# KiCad board travis_erg2024-new4.kicad_pcb (continued)
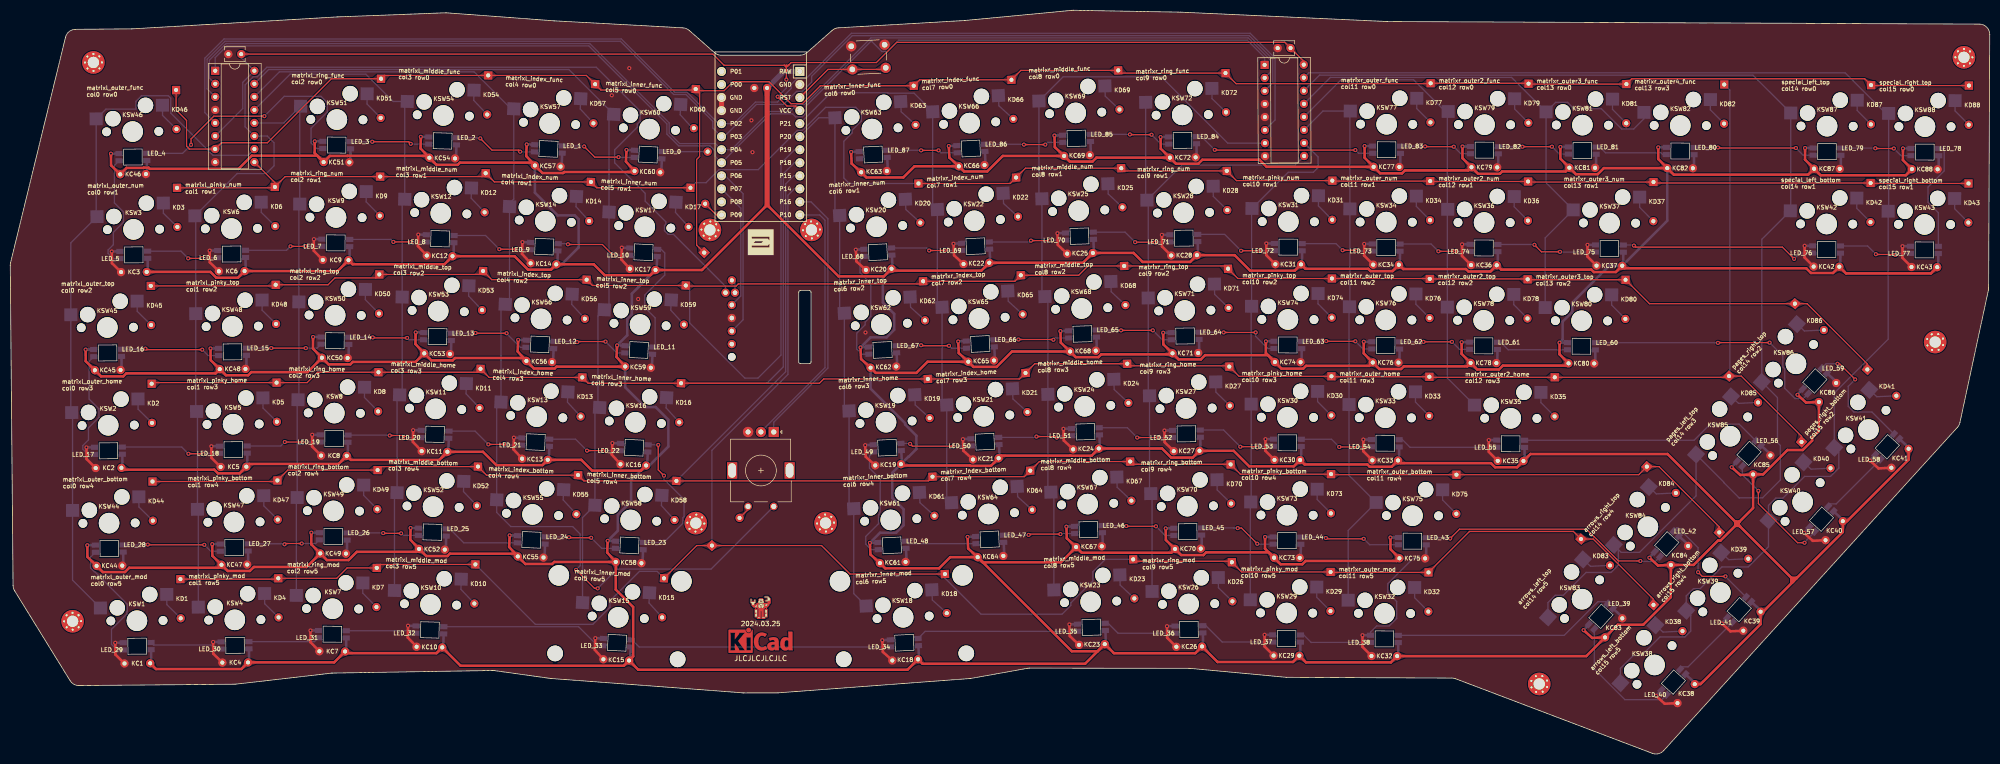
[diagram p0: board, top side]
## Placement (name value [footprint] x y rotation side) (continued)
KSW13  Kailh MX Switch Sockets  [MX]  102.47 65.63 357.5 top
KSW14  Kailh MX Switch Sockets  [MX]  104.14 103.69 357.5 top
KSW15  Kailh MX Switch Sockets  [MX]  118.33 26.56 357.2 top
KSW16  Kailh MX Switch Sockets  [MX]  121.66 64.54 357.2 top
KSW17  Kailh MX Switch Sockets  [MX]  123.49 102.6 357.2 top
KSW18  Kailh MX Switch Sockets  [MX]  173.78 26.57 2.8 top
KSW19  Kailh MX Switch Sockets  [MX]  170.45 64.55 2.8 top
KSW20  Kailh MX Switch Sockets  [MX]  168.62 102.61 2.8 top
KSW21  Kailh MX Switch Sockets  [MX]  189.47 65.71 2.8 top
KSW22  Kailh MX Switch Sockets  [MX]  187.64 103.77 2.8 top
KSW23  Kailh MX Switch Sockets  [MX]  210.28 29.57 1.8 top
KSW24  Kailh MX Switch Sockets  [MX]  209.11 67.65 1.8 top
KSW25  Kailh MX Switch Sockets  [MX]  207.95 105.73 1.8 top
KSW26  Kailh MX Switch Sockets  [MX]  229.35 29.15 0.8 top
KSW27  Kailh MX Switch Sockets  [MX]  228.85 67.25 0.8 top
KSW28  Kailh MX Switch Sockets  [MX]  228.35 105.35 0.8 top
KSW29  Kailh MX Switch Sockets  [MX]  248.42 27.4 359.8 top
KSW30  Kailh MX Switch Sockets  [MX]  248.59 65.5 359.8 top
KSW31  Kailh MX Switch Sockets  [MX]  248.76 103.6 359.8 top
KSW32  Kailh MX Switch Sockets  [MX]  267.47 27.32 359.8 top
KSW33  Kailh MX Switch Sockets  [MX]  267.64 65.42 359.8 top
KSW34  Kailh MX Switch Sockets  [MX]  267.81 103.52 359.8 top
KSW35  Kailh MX Switch Sockets  [MX]  292.05 65.31 359.8 top
KSW36  Kailh MX Switch Sockets  [MX]  286.86 103.44 359.8 top
KSW37  Kailh MX Switch Sockets  [MX]  311.27 103.33 359.8 top
KSW38  Kailh MX Switch Sockets  [MX]  320.03 17.28 47.8 top
KSW39  Kailh MX Switch Sockets  [MX]  332.84 31.39 47.8 top
KSW40  Kailh MX Switch Sockets  [MX]  348.85 49.01 47.8 top
KSW41  Kailh MX Switch Sockets  [MX]  361.66 63.11 47.8 top
KSW42  Kailh MX Switch Sockets  [MX]  353.53 103.14 359.8 top
KSW43  Kailh MX Switch Sockets  [MX]  372.58 103.06 359.8 top
KSW44  Kailh MX Switch Sockets  [MX]  19.23 44.9 0.5 top
KSW45  Kailh MX Switch Sockets  [MX]  18.89 83 0.5 top
KSW46  Kailh MX Switch Sockets  [MX]  23.82 121.14 0.5 top
KSW47  Kailh MX Switch Sockets  [MX]  43.54 45.11 0.5 top
KSW48  Kailh MX Switch Sockets  [MX]  43.21 83.21 0.5 top
KSW49  Kailh MX Switch Sockets  [MX]  62.9 47.28 359.5 top
KSW50  Kailh MX Switch Sockets  [MX]  63.23 85.38 359.5 top
KSW51  Kailh MX Switch Sockets  [MX]  63.57 123.48 359.5 top
KSW52  Kailh MX Switch Sockets  [MX]  82.29 48.11 358.5 top
KSW53  Kailh MX Switch Sockets  [MX]  83.29 86.19 358.5 top
KSW54  Kailh MX Switch Sockets  [MX]  84.29 124.28 358.5 top
KSW55  Kailh MX Switch Sockets  [MX]  101.64 46.6 357.5 top
KSW56  Kailh MX Switch Sockets  [MX]  103.3 84.66 357.5 top
KSW57  Kailh MX Switch Sockets  [MX]  104.97 122.73 357.5 top
KSW58  Kailh MX Switch Sockets  [MX]  120.75 45.51 357.2 top
KSW59  Kailh MX Switch Sockets  [MX]  122.57 83.57 357.2 top
KSW60  Kailh MX Switch Sockets  [MX]  124.4 121.63 357.2 top
KSW61  Kailh MX Switch Sockets  [MX]  171.37 45.52 2.8 top
KSW62  Kailh MX Switch Sockets  [MX]  169.54 83.58 2.8 top
KSW63  Kailh MX Switch Sockets  [MX]  167.71 121.63 2.8 top
KSW64  Kailh MX Switch Sockets  [MX]  190.38 46.69 2.8 top
KSW65  Kailh MX Switch Sockets  [MX]  188.55 84.74 2.8 top
KSW66  Kailh MX Switch Sockets  [MX]  186.73 122.8 2.8 top
KSW67  Kailh MX Switch Sockets  [MX]  209.69 48.61 1.8 top
KSW68  Kailh MX Switch Sockets  [MX]  208.53 86.69 1.8 top
KSW69  Kailh MX Switch Sockets  [MX]  207.37 124.78 1.8 top
KSW70  Kailh MX Switch Sockets  [MX]  229.1 48.2 0.8 top
KSW71  Kailh MX Switch Sockets  [MX]  228.6 86.3 0.8 top
KSW72  Kailh MX Switch Sockets  [MX]  228.1 124.39 0.8 top
KSW73  Kailh MX Switch Sockets  [MX]  248.51 46.45 359.8 top
KSW74  Kailh MX Switch Sockets  [MX]  248.67 84.55 359.8 top
KSW75  Kailh MX Switch Sockets  [MX]  272.92 46.35 359.8 top
KSW76  Kailh MX Switch Sockets  [MX]  267.72 84.47 359.8 top
KSW77  Kailh MX Switch Sockets  [MX]  267.89 122.57 359.8 top
KSW78  Kailh MX Switch Sockets  [MX]  286.77 84.39 359.8 top
KSW79  Kailh MX Switch Sockets  [MX]  286.94 122.48 359.8 top
KSW80  Kailh MX Switch Sockets  [MX]  305.82 84.3 359.8 top
KSW81  Kailh MX Switch Sockets  [MX]  305.99 122.4 359.8 top
KSW82  Kailh MX Switch Sockets  [MX]  325.04 122.32 359.8 top
KSW83  Kailh MX Switch Sockets  [MX]  305.93 30.09 47.8 top
KSW84  Kailh MX Switch Sockets  [MX]  318.74 44.19 47.8 top
KSW85  Kailh MX Switch Sockets  [MX]  334.75 61.82 47.8 top
KSW86  Kailh MX Switch Sockets  [MX]  347.56 75.92 47.8 top
KSW87  Kailh MX Switch Sockets  [MX]  353.61 122.19 359.8 top
KSW88  Kailh MX Switch Sockets  [MX]  372.66 122.11 359.8 top
LOGO1  -  [ergogen]  146.06 99.6 0 top
LOGO2  -  [travis]  146.06 23.56 0 top
MCU1  -  [ProMicro]  146.06 118.88 270 top
R1  -  [R_Axial_DIN0207_L6.3mm_D2.5mm_P10.16mm_Horizontal]  135.24 107.09 87.2 bottom
REF**  -  [RollerEncoder_Panasonic_EVQWGD001]  146.06 83.57 0 top
ROT1  -  [rotary_encoder]  146.06 55.03 270 top
STAB2u1  -  [Stabilizer_MX_2.00u]  118.3 25.94 177.2 top
STAB2u2  -  [Stabilizer_MX_2.00u]  173.81 25.95 182.8 top
SW1  -  [SW_PUSH_6mm_H4.3mm]  163.68 137.75 2.8 top
SYM1  -  [KiCad-Logo_5mm_Copper]  146.06 21.56 0 top

## Footprints (pads in the part's own frame, mm; a bottom-side part is the same pattern mirrored in y, then rotated)
C_Disc_D3.8mm_W2.6mm_P2.50mm
  round 1.6 hole 0.8: 1(0,0) 2(2.5,0)
C_Disc_D4.7mm_W2.5mm_P5.00mm
  round 1.6 hole 0.8: 1(0,0) 2(5,0)
C_Radial_D6.3mm_H11.0mm_P2.50mm
  round 1.6 hole 0.8: 1(0,0) 2(2.5,0)
Diode_DO-35
  rect 1.6x1.6 hole 0.8: 1(0,0)
  oval 1.6x1.6 hole 0.8: 2(7.62,0)
DIP-16_W7.62mm_Socket
  rect 1.6x1.6 hole 0.8: 1(0,0)
  oval 1.6x1.6 hole 0.8: 2(0,-2.54) 3(0,-5.08) 4(0,-7.62) 5(0,-10.16) 6(0,-12.7) 7(0,-15.24) 8(0,-17.78) 9(7.62,-17.78) 10(7.62,-15.24) 11(7.62,-12.7) 12(7.62,-10.16) 13(7.62,-7.62) 14(7.62,-5.08) 15(7.62,-2.54) 16(7.62,0)
led_SK6812mini-e (per-key single-side)
  rect 1.4x1 smd: 1(2.7,0.7) 2(2.7,-0.7) 3(-2.7,-0.7) 4(-2.7,0.7)
MountingHole_2.2mm_M2_Pad_Via
  round 0.7 hole 0.4: 1(-1.65,0) 1(-1.167,1.167) 1(-1.167,-1.167) 1(0,1.65) 1(0,-1.65) 1(1.167,1.167) 1(1.167,-1.167) 1(1.65,0)
  round 4.4 hole 2.2: 1(0,0)
MX
  round 1.702 hole 1.702 unplated: (-5.08,0) (5.08,0)
  round 3 hole 3 unplated: (-3.81,2.54) (2.54,5.08)
  round 3.988 hole 3.988 unplated: (0,0)
  rect 2.55x2.5 smd far side: 1(-7.085,2.54) 2(5.842,5.08)
ProMicro
  rect 1.753x1.753 hole 1.092: 1(-13.97,7.62)
  round 1.753 hole 1.092: 2(-11.43,7.62) 3(-8.89,7.62) 4(-6.35,7.62) 5(-3.81,7.62) 6(-1.27,7.62) 7(1.27,7.62) 8(3.81,7.62) 9(6.35,7.62) 10(8.89,7.62) 11(11.43,7.62) 12(13.97,7.62) 13(-13.97,-7.62) 14(-11.43,-7.62) 15(-8.89,-7.62) 16(-6.35,-7.62) 17(-3.81,-7.62) 18(-1.27,-7.62) 19(1.27,-7.62) 20(3.81,-7.62) 21(6.35,-7.62) 22(8.89,-7.62) 23(11.43,-7.62) 24(13.97,-7.62)
R_Axial_DIN0207_L6.3mm_D2.5mm_P10.16mm_Horizontal
  round 1.6 hole 0.8: 1(0,0)
  oval 1.6x1.6 hole 0.8: 2(10.16,0)
RollerEncoder_Panasonic_EVQWGD001
  round 1.5 hole 1.5 unplated: (-5.625,-6.3)
  round 1.6 hole 0.9: A(-5.625,3.81) B(-5.625,1.27) C(-5.625,-1.27) D(-5.625,-3.81) S1(-6.85,6.2) S2(-5,6.2)
rotary_encoder
  rect 3.2x2 hole 2.8x1.5: (-0.12,5.64) (-0.12,-5.56)
  round 1.5 hole 1: 1(6.88,2.54) 2(6.88,-2.46)
  rect 2x2 hole 1: A(-7.62,2.54)
  round 2 hole 1: B(-7.62,-2.46) C(-7.62,0.04)
Stabilizer_MX_2.00u
  round 3.048 hole 3.048 unplated: (-11.938,6.985) (11.938,6.985)
  round 3.988 hole 3.988 unplated: (-11.938,-8.225) (11.938,-8.225)
SW_PUSH_6mm_H4.3mm
  round 2 hole 1.1: 1(0,0) 1(6.5,0) 2(0,-4.5) 2(6.5,-4.5)

## Nets
GND: C1.2 C2.2 C3.2 DIP1.4 DIP1.8 DIP2.4 DIP2.5 DIP2.8 KC1.2 KC2.2 KC3.2 KC4.2 KC5.2 KC6.2 KC7.2 KC8.2 KC9.2 KC10.2 KC11.2 KC12.2 KC13.2 KC14.2 KC15.2 KC16.2 KC17.2 KC18.2 KC19.2 KC20.2 KC21.2 KC22.2 KC23.2 KC24.2 KC25.2 KC26.2 KC27.2 KC28.2 KC29.2 KC30.2 KC31.2 KC32.2 KC33.2 KC34.2 KC35.2 KC36.2 KC37.2 KC38.2 KC39.2 KC40.2 KC41.2 KC42.2 KC43.2 KC44.2 KC45.2 KC46.2 KC47.2 KC48.2 KC49.2 KC50.2 KC51.2 KC52.2 KC53.2 KC54.2 KC55.2 KC56.2 KC57.2 KC58.2 KC59.2 KC60.2 KC61.2 KC62.2 KC63.2 KC64.2 KC65.2 KC66.2 KC67.2 KC68.2 KC69.2 KC70.2 KC71.2 KC72.2 KC73.2 KC74.2 KC75.2 KC76.2 KC77.2 KC78.2 KC79.2 KC80.2 KC81.2 KC82.2 KC83.2 KC84.2 KC85.2 KC86.2 KC87.2 KC88.2 KLED1.3 KLED2.3 KLED3.3 KLED4.3 KLED5.3 KLED6.3 KLED7.3 KLED8.3 KLED9.3 KLED10.3 KLED11.3 KLED12.3 KLED13.3 KLED14.3 KLED15.3 KLED16.3 KLED17.3 KLED18.3 KLED19.3 KLED20.3 KLED21.3 KLED22.3 KLED23.3 KLED24.3 KLED25.3 KLED26.3 KLED27.3 KLED28.3 KLED29.3 KLED30.3 KLED31.3 KLED32.3 KLED33.3 KLED34.3 KLED35.3 KLED36.3 KLED37.3 KLED38.3 KLED39.3 KLED40.3 KLED41.3 KLED42.3 KLED43.3 KLED44.3 KLED45.3 KLED46.3 KLED47.3 KLED48.3 KLED49.3 KLED50.3 KLED51.3 KLED52.3 KLED53.3 KLED54.3 KLED55.3 KLED56.3 KLED57.3 KLED58.3 KLED59.3 KLED60.3 KLED61.3 KLED62.3 KLED63.3 KLED64.3 KLED65.3 KLED66.3 KLED67.3 KLED68.3 KLED69.3 KLED70.3 KLED71.3 KLED72.3 KLED73.3 KLED74.3 KLED75.3 KLED76.3 KLED77.3 KLED78.3 KLED79.3 KLED80.3 KLED81.3 KLED82.3 KLED83.3 KLED84.3 KLED85.3 KLED86.3 KLED87.3 KLED88.3 MCU1.2 MCU1.15 MCU1.16 REF**.B ROT1.B SW1.1
VCC: C2.1 C3.1 DIP1.6 DIP1.16 DIP2.16 MCU1.4
arrows_left_bottom: KD38.2 KSW38.2
arrows_left_top: KD83.2 KSW83.2
arrows_right_bottom: KD39.2 KSW39.2
arrows_right_top: KD84.2 KSW84.2
col0: DIP1.10 KSW1.1 KSW2.1 KSW3.1 KSW44.1 KSW45.1 KSW46.1
col1: DIP1.11 KSW4.1 KSW5.1 KSW6.1 KSW47.1 KSW48.1 REF**.S1
col2: DIP1.12 KSW7.1 KSW8.1 KSW9.1 KSW49.1 KSW50.1 KSW51.1
col3: DIP1.13 KSW10.1 KSW11.1 KSW12.1 KSW52.1 KSW53.1 KSW54.1
col4: DIP1.14 KSW13.1 KSW14.1 KSW55.1 KSW56.1 KSW57.1 ROT1.1
col5: DIP1.15 KSW15.1 KSW16.1 KSW17.1 KSW58.1 KSW59.1 KSW60.1
col6: KSW18.1 KSW19.1 KSW20.1 KSW61.1 KSW62.1 KSW63.1 MCU1.6
col7: KSW21.1 KSW22.1 KSW64.1 KSW65.1 KSW66.1 MCU1.5
col8: DIP2.7 KSW23.1 KSW24.1 KSW25.1 KSW67.1 KSW68.1 KSW69.1
col9: DIP2.9 KSW26.1 KSW27.1 KSW28.1 KSW70.1 KSW71.1 KSW72.1
col10: DIP2.10 KSW29.1 KSW30.1 KSW31.1 KSW73.1 KSW74.1
col11: DIP2.11 KSW32.1 KSW33.1 KSW34.1 KSW75.1 KSW76.1 KSW77.1
col12: DIP2.12 KSW35.1 KSW36.1 KSW78.1 KSW79.1
col13: DIP2.13 KSW37.1 KSW80.1 KSW81.1 KSW82.1
col14: DIP2.14 KSW42.1 KSW83.1 KSW84.1 KSW85.1 KSW86.1 KSW87.1
col15: DIP2.15 KSW38.1 KSW39.1 KSW40.1 KSW41.1 KSW43.1 KSW88.1
enc_to: D2.2 ROT1.2
encA: MCU1.11 ROT1.A
encC: MCU1.12 ROT1.C
LED: MCU1.24 R1.1
LED_0: KLED60.4 R1.2
LED_1: KLED57.4 KLED60.2
LED_2: KLED54.4 KLED57.2
LED_3: KLED51.4 KLED54.2
LED_4: KLED46.4 KLED51.2
LED_5: KLED3.4 KLED46.2
LED_6: KLED3.2 KLED6.4
LED_7: KLED6.2 KLED9.4
LED_8: KLED9.2 KLED12.4
LED_9: KLED12.2 KLED14.4
LED_10: KLED14.2 KLED17.4
LED_11: KLED17.2 KLED59.4
LED_12: KLED56.4 KLED59.2
LED_13: KLED53.4 KLED56.2
LED_14: KLED50.4 KLED53.2
LED_15: KLED48.4 KLED50.2
LED_16: KLED45.4 KLED48.2
LED_17: KLED2.4 KLED45.2
LED_18: KLED2.2 KLED5.4
LED_19: KLED5.2 KLED8.4
LED_20: KLED8.2 KLED11.4
LED_21: KLED11.2 KLED13.4
LED_22: KLED13.2 KLED16.4
LED_23: KLED16.2 KLED58.4
LED_24: KLED55.4 KLED58.2
LED_25: KLED52.4 KLED55.2
LED_26: KLED49.4 KLED52.2
LED_27: KLED47.4 KLED49.2
LED_28: KLED44.4 KLED47.2
LED_29: KLED1.4 KLED44.2
LED_30: KLED1.2 KLED4.4
LED_31: KLED4.2 KLED7.4
LED_32: KLED7.2 KLED10.4
LED_33: KLED10.2 KLED15.4
LED_34: KLED15.2 KLED18.4
LED_35: KLED18.2 KLED23.4
LED_36: KLED23.2 KLED26.4
LED_37: KLED26.2 KLED29.4
LED_38: KLED29.2 KLED32.4
LED_39: KLED32.2 KLED83.4
LED_40: KLED38.4 KLED83.2
LED_41: KLED38.2 KLED39.4
LED_42: KLED39.2 KLED84.4
LED_43: KLED75.4 KLED84.2
LED_44: KLED73.4 KLED75.2
LED_45: KLED70.4 KLED73.2
LED_46: KLED67.4 KLED70.2
LED_47: KLED64.4 KLED67.2
LED_48: KLED61.4 KLED64.2
LED_49: KLED19.4 KLED61.2
LED_50: KLED19.2 KLED21.4
LED_51: KLED21.2 KLED24.4
LED_52: KLED24.2 KLED27.4
LED_53: KLED27.2 KLED30.4
LED_54: KLED30.2 KLED33.4
LED_55: KLED33.2 KLED35.4
LED_56: KLED35.2 KLED85.4
LED_57: KLED40.4 KLED85.2
LED_58: KLED40.2 KLED41.4
LED_59: KLED41.2 KLED86.4
LED_60: KLED80.4 KLED86.2
LED_61: KLED78.4 KLED80.2
LED_62: KLED76.4 KLED78.2
LED_63: KLED74.4 KLED76.2
LED_64: KLED71.4 KLED74.2
LED_65: KLED68.4 KLED71.2
LED_66: KLED65.4 KLED68.2
LED_67: KLED62.4 KLED65.2
LED_68: KLED20.4 KLED62.2
LED_69: KLED20.2 KLED22.4
LED_70: KLED22.2 KLED25.4
LED_71: KLED25.2 KLED28.4
LED_72: KLED28.2 KLED31.4
LED_73: KLED31.2 KLED34.4
LED_74: KLED34.2 KLED36.4
LED_75: KLED36.2 KLED37.4
LED_76: KLED37.2 KLED42.4
LED_77: KLED42.2 KLED43.4
LED_78: KLED43.2 KLED88.4
LED_79: KLED87.4 KLED88.2
LED_80: KLED82.4 KLED87.2
LED_81: KLED81.4 KLED82.2
LED_82: KLED79.4 KLED81.2
LED_83: KLED77.4 KLED79.2
LED_84: KLED72.4 KLED77.2
LED_85: KLED69.4 KLED72.2
LED_86: KLED66.4 KLED69.2
LED_87: KLED63.4 KLED66.2
matrixl_index_bottom: KD55.2 KSW55.2
matrixl_index_func: KD57.2 KSW57.2
matrixl_index_home: KD13.2 KSW13.2
matrixl_index_num: KD14.2 KSW14.2
matrixl_index_top: KD56.2 KSW56.2
matrixl_inner_bottom: KD58.2 KSW58.2
matrixl_inner_func: KD60.2 KSW60.2
matrixl_inner_home: KD16.2 KSW16.2
matrixl_inner_mod: KD15.2 KSW15.2
matrixl_inner_num: KD17.2 KSW17.2
matrixl_inner_top: KD59.2 KSW59.2
matrixl_middle_bottom: KD52.2 KSW52.2
matrixl_middle_func: KD54.2 KSW54.2
matrixl_middle_home: KD11.2 KSW11.2
matrixl_middle_mod: KD10.2 KSW10.2
matrixl_middle_num: KD12.2 KSW12.2
matrixl_middle_top: KD53.2 KSW53.2
matrixl_outer_bottom: KD44.2 KSW44.2
matrixl_outer_func: KD46.2 KSW46.2
matrixl_outer_home: KD2.2 KSW2.2
matrixl_outer_mod: KD1.2 KSW1.2
matrixl_outer_num: KD3.2 KSW3.2
matrixl_outer_top: KD45.2 KSW45.2
matrixl_pinky_bottom: KD47.2 KSW47.2
matrixl_pinky_home: KD5.2 KSW5.2
matrixl_pinky_mod: KD4.2 KSW4.2
matrixl_pinky_num: KD6.2 KSW6.2
matrixl_pinky_top: KD48.2 KSW48.2
matrixl_ring_bottom: KD49.2 KSW49.2
matrixl_ring_func: KD51.2 KSW51.2
matrixl_ring_home: KD8.2 KSW8.2
matrixl_ring_mod: KD7.2 KSW7.2
matrixl_ring_num: KD9.2 KSW9.2
matrixl_ring_top: KD50.2 KSW50.2
matrixr_index_bottom: KD64.2 KSW64.2
matrixr_index_func: KD66.2 KSW66.2
matrixr_index_home: KD21.2 KSW21.2
matrixr_index_num: KD22.2 KSW22.2
matrixr_index_top: KD65.2 KSW65.2
matrixr_inner_bottom: KD61.2 KSW61.2
matrixr_inner_func: KD63.2 KSW63.2
matrixr_inner_home: KD19.2 KSW19.2
matrixr_inner_mod: KD18.2 KSW18.2
matrixr_inner_num: KD20.2 KSW20.2
matrixr_inner_top: KD62.2 KSW62.2
matrixr_middle_bottom: KD67.2 KSW67.2
matrixr_middle_func: KD69.2 KSW69.2
matrixr_middle_home: KD24.2 KSW24.2
matrixr_middle_mod: KD23.2 KSW23.2
matrixr_middle_num: KD25.2 KSW25.2
matrixr_middle_top: KD68.2 KSW68.2
matrixr_outer2_func: KD79.2 KSW79.2
matrixr_outer2_home: KD35.2 KSW35.2
matrixr_outer2_num: KD36.2 KSW36.2
matrixr_outer2_top: KD78.2 KSW78.2
matrixr_outer3_func: KD81.2 KSW81.2
matrixr_outer3_num: KD37.2 KSW37.2
matrixr_outer3_top: KD80.2 KSW80.2
matrixr_outer4_func: KD82.2 KSW82.2
matrixr_outer_bottom: KD75.2 KSW75.2
matrixr_outer_func: KD77.2 KSW77.2
matrixr_outer_home: KD33.2 KSW33.2
matrixr_outer_mod: KD32.2 KSW32.2
matrixr_outer_num: KD34.2 KSW34.2
matrixr_outer_top: KD76.2 KSW76.2
matrixr_pinky_bottom: KD73.2 KSW73.2
matrixr_pinky_home: KD30.2 KSW30.2
matrixr_pinky_mod: KD29.2 KSW29.2
matrixr_pinky_num: KD31.2 KSW31.2
matrixr_pinky_top: KD74.2 KSW74.2
matrixr_ring_bottom: KD70.2 KSW70.2
matrixr_ring_func: KD72.2 KSW72.2
matrixr_ring_home: KD27.2 KSW27.2
matrixr_ring_mod: KD26.2 KSW26.2
matrixr_ring_num: KD28.2 KSW28.2
matrixr_ring_top: KD71.2 KSW71.2
mux0: DIP1.1 DIP2.1 MCU1.20
mux1: DIP1.2 DIP2.2 MCU1.19
mux2: DIP1.3 DIP2.3 MCU1.18
mux3: DIP1.5 DIP2.6 MCU1.17
P0: MCU1.14
P1: MCU1.13
P8: MCU1.23
pages_left_bottom: KD40.2 KSW40.2
pages_left_top: KD85.2 KSW85.2
pages_right_bottom: KD41.2 KSW41.2
pages_right_top: KD86.2 KSW86.2
RAW: C1.1 KC1.1 KC2.1 KC3.1 KC4.1 KC5.1 KC6.1 KC7.1 KC8.1 KC9.1 KC10.1 KC11.1 KC12.1 KC13.1 KC14.1 KC15.1 KC16.1 KC17.1 KC18.1 KC19.1 KC20.1 KC21.1 KC22.1 KC23.1 KC24.1 KC25.1 KC26.1 KC27.1 KC28.1 KC29.1 KC30.1 KC31.1 KC32.1 KC33.1 KC34.1 KC35.1 KC36.1 KC37.1 KC38.1 KC39.1 KC40.1 KC41.1 KC42.1 KC43.1 KC44.1 KC45.1 KC46.1 KC47.1 KC48.1 KC49.1 KC50.1 KC51.1 KC52.1 KC53.1 KC54.1 KC55.1 KC56.1 KC57.1 KC58.1 KC59.1 KC60.1 KC61.1 KC62.1 KC63.1 KC64.1 KC65.1 KC66.1 KC67.1 KC68.1 KC69.1 KC70.1 KC71.1 KC72.1 KC73.1 KC74.1 KC75.1 KC76.1 KC77.1 KC78.1 KC79.1 KC80.1 KC81.1 KC82.1 KC83.1 KC84.1 KC85.1 KC86.1 KC87.1 KC88.1 KLED1.1 KLED2.1 KLED3.1 KLED4.1 KLED5.1 KLED6.1 KLED7.1 KLED8.1 KLED9.1 KLED10.1 KLED11.1 KLED12.1 KLED13.1 KLED14.1 KLED15.1 KLED16.1 KLED17.1 KLED18.1 KLED19.1 KLED20.1 KLED21.1 KLED22.1 KLED23.1 KLED24.1 KLED25.1 KLED26.1 KLED27.1 KLED28.1 KLED29.1 KLED30.1 KLED31.1 KLED32.1 KLED33.1 KLED34.1 KLED35.1 KLED36.1 KLED37.1 KLED38.1 KLED39.1 KLED40.1 KLED41.1 KLED42.1 KLED43.1 KLED44.1 KLED45.1 KLED46.1 KLED47.1 KLED48.1 KLED49.1 KLED50.1 KLED51.1 KLED52.1 KLED53.1 KLED54.1 KLED55.1 KLED56.1 KLED57.1 KLED58.1 KLED59.1 KLED60.1 KLED61.1 KLED62.1 KLED63.1 KLED64.1 KLED65.1 KLED66.1 KLED67.1 KLED68.1 KLED69.1 KLED70.1 KLED71.1 KLED72.1 KLED73.1 KLED74.1 KLED75.1 KLED76.1 KLED77.1 KLED78.1 KLED79.1 KLED80.1 KLED81.1 KLED82.1 KLED83.1 KLED84.1 KLED85.1 KLED86.1 KLED87.1 KLED88.1 MCU1.1
row0: D1.1 DIP1.7 KD46.1 KD51.1 KD54.1 KD57.1 KD60.1 KD63.1 KD66.1 KD69.1 KD72.1 KD77.1 KD79.1 KD81.1 KD87.1 KD88.1
row1: DIP1.9 KD3.1 KD6.1 KD9.1 KD12.1 KD14.1 KD17.1 KD20.1 KD22.1 KD25.1 KD28.1 KD31.1 KD34.1 KD36.1 KD37.1 KD42.1 KD43.1
row2: KD41.1 KD45.1 KD48.1 KD50.1 KD53.1 KD56.1 KD59.1 KD62.1 KD65.1 KD68.1 KD71.1 KD74.1 KD76.1 KD78.1 KD80.1 KD86.1 MCU1.7
row3: KD2.1 KD5.1 KD8.1 KD11.1 KD13.1 KD16.1 KD19.1 KD21.1 KD24.1 KD27.1 KD30.1 KD33.1 KD35.1 KD40.1 KD82.1 KD85.1 MCU1.8
row4: KD39.1 KD44.1 KD47.1 KD49.1 KD52.1 KD55.1 KD58.1 KD61.1 KD64.1 KD67.1 KD70.1 KD73.1 KD75.1 KD84.1 MCU1.9
row5: D2.1 KD1.1 KD4.1 KD7.1 KD10.1 KD15.1 KD18.1 KD23.1 KD26.1 KD29.1 KD32.1 KD38.1 KD83.1 MCU1.10
RST: MCU1.3 SW1.2
scr_to: D1.2 REF**.S2
scrA: MCU1.22 REF**.A
scrC: MCU1.21 REF**.C
special_left_bottom: KD42.2 KSW42.2
special_left_top: KD87.2 KSW87.2
special_right_bottom: KD43.2 KSW43.2
special_right_top: KD88.2 KSW88.2
undefined: REF**.D

Pads without a net: HOLE1 1; HOLE2 1; HOLE3 1; HOLE4 1; HOLE5 1; HOLE6 1; HOLE7 1; HOLE8 1; HOLE9 1; KLED63 2

## Via types
v1: diameter 0.8, hole 0.4, Top to Bottom, 220 vias

## Routing (per net, layer and track width the routed paths; a pad name or vN(x,y) marks a point on that pad's centre or on a via; arc(x,y) is an arc through that point)
GND: length 421.1
  Top w0.5: KC21.2 185.52,58.98 v1(185.41,61.25) ; v1(333.13,25.36) 334.81,23.83 337.3,23.95 ; v1(164.57,98.14) 164.68,95.88 KC20.2 ; v1(39.14,59.86) 39.16,57.59 KC5.2 ; KC17.2 118.91,96.28 v1(119.02,98.54) ; KC31.2 244.46,97.09 v1(244.47,99.35) ; v1(349.24,98.9) 349.23,96.63 KC42.2 ; v1(306.98,99.08) 306.97,96.81 KC37.2 ; v1(77.42,24.91) 77.36,22.65 KC10.2 ; KC1.2 20.44,19.33 v1(20.43,21.59) ; KC35.2 287.76,58.8 v1(287.77,61.06) ; KC41.2 363.62,55.56 v1(361.95,57.09) ; v1(263.52,99.27) 263.51,97 KC34.2 ; v1(244.3,61.25) 244.29,58.99 KC30.2 ; v1(58.43,24) 58.41,21.74 KC7.2 ; KC29.2 244.13,20.89 v1(244.14,23.15) ; v1(368.29,98.81) 368.28,96.55 KC43.2 ; v1(204.98,63.26) 205.05,60.99 KC24.2 ; KC18.2 169.83,19.84 v1(169.72,22.1) ; v1(38.81,97.96) 38.83,95.69 KC6.2 ; v1(117.19,60.48) 117.08,58.22 KC16.2 ; v1(78.41,63) 78.35,60.73 KC11.2 ; v1(19.76,97.79) 19.78,95.53 KC3.2 ; v1(79.41,101.08) 79.35,98.82 KC12.2 ; KC27.2 224.67,60.66 v1(224.64,62.93) ; v1(183.58,99.3) 183.69,97.04 KC22.2 ; KC9.2 59.08,97.93 v1(59.1,100.2) ; KC26.2 225.17,22.56 v1(225.14,24.83) ; KC28.2 224.17,98.76 v1(224.14,101.02) ; v1(263.35,61.17) 263.34,58.9 KC33.2 ; KC32.2 263.18,20.8 v1(263.19,23.07) ; v1(203.81,101.34) 203.88,99.07 KC25.2 ; KC13.2 97.93,59.29 v1(98.02,61.55) ; v1(282.57,99.19) 282.56,96.92 KC36.2 ; KC15.2 113.76,20.24 v1(113.87,22.5) ; KC23.2 206.21,22.91 v1(206.14,25.17) ; v1(166.4,60.08) 166.5,57.82 KC19.2 ; v1(99.69,99.62) 99.59,97.35 KC14.2 ; v1(14.83,59.65) 14.85,57.38 KC2.2 ; v1(349.14,42.98) 350.82,41.46 KC40.2 ; v1(39.47,21.76) 39.49,19.49 KC4.2 ; v1(320.32,11.26) 322,9.73 KC38.2 ; v1(58.76,62.1) 58.74,59.83 KC8.2
  Top w1: MCU1.15 MCU1.16
  Bottom w0.25: KC75.2 273.03,38.03 268.1,33.11 268.1,31.38 269.84,29.64 269.84,26.34 268.39,24.88 265.95,24.88 264.75,23.69 KLED32.3
  Bottom w0.5: KC78.2 289.44,76.27 KLED78.3 ; KC52.2 84.78,39.94 KLED52.3 ; KC84.2 326.55,40.75 KLED84.3 ; KLED27.3 224.65,62.93 v1(224.64,62.93) ; KLED67.3 212.64,40.6 KC67.2 ; v1(164.57,98.14) 164.57,98.15 166.13,98.22 ; KLED31.3 244.48,99.36 v1(244.47,99.35) ; KLED4.3 39.48,21.77 v1(39.47,21.76) ; KLED62.3 172.62,75.62 KC62.2 ; KC51.2 66.2,115.35 KLED51.3 ; v1(14.83,59.65) 14.84,59.65 KLED2.3 ; KC86.2 355.37,72.47 KLED86.3 ; v1(320.32,11.26) 320.32,11.27 KLED38.3 ; KLED39.3 333.13,25.37 v1(333.13,25.36) ; KLED54.3 86.77,116.11 KC54.2 ; v1(119.02,98.54) 119.03,98.55 KLED17.3 ; KLED57.3 107.31,114.52 KC57.2 ; KC70.2 231.9,40.14 KLED70.3 ; KC65.2 191.64,76.78 KLED65.3 ; v1(263.35,61.17) 263.36,61.18 KLED33.3 ; KC49.2 65.53,39.16 65.55,41.6 ; KC81.2 308.65,114.29 KLED81.3 ; KLED22.3 183.59,99.31 v1(183.58,99.3) ; KC74.2 251.34,76.44 KLED74.3 ; KLED21.3 185.42,61.25 v1(185.41,61.25) ; KLED85.3 342.56,58.37 KC85.2 ; v1(263.52,99.27) 263.53,99.28 KLED34.3 ; 167.96,60.17 166.4,60.09 v1(166.4,60.08) ; KLED73.3 251.17,38.34 KC73.2 ; KC60.2 126.71,113.41 126.83,115.84 ; KC55.2 103.99,38.39 KLED55.3 ; KLED75.3 275.58,38.23 275.38,38.03 ; v1(19.76,97.79) 19.77,97.8 KLED3.3 ; v1(368.29,98.81) 368.3,98.82 KLED43.3 ; KC46.2 26.59,113.07 KLED46.3 ; v1(98.02,61.55) 98.03,61.56 KLED13.3 ; KC76.2 270.39,76.36 KLED76.3 ; KLED71.3 231.41,78.23 KC71.2 ; v1(361.95,57.09) 361.95,57.1 KLED41.3 ; v1(224.14,101.02) 224.15,101.03 KLED28.3 ; v1(79.41,101.08) 79.42,101.09 80.98,101.05 ; KLED79.3 289.6,114.37 KC79.2 ; v1(58.76,62.1) 58.77,62.11 KLED8.3 ; KLED24.3 204.99,63.26 v1(204.98,63.26) ; KC61.2 174.45,37.56 KLED61.3 ; v1(349.24,98.9) 349.25,98.9 KLED42.3 ; KC56.2 105.65,76.45 KLED56.3 ; KLED25.3 203.82,101.35 v1(203.81,101.34) ; KLED53.3 85.78,78.03 KC53.2 ; KC59.2 124.88,75.35 KLED59.3 ; v1(20.43,21.59) 20.43,21.6 KLED1.3 ; v1(117.19,60.48) 117.2,60.49 KLED16.3 ; v1(206.14,25.17) 206.15,25.18 KLED23.3 ; v1(282.57,99.19) 282.58,99.19 KLED36.3 ; KLED66.3 189.81,114.84 KC66.2 ; KLED29.3 244.14,23.16 v1(244.14,23.15) ; KC80.2 308.49,76.19 308.5,78.63 ; KLED58.3 123.05,37.29 KC58.2 ; v1(306.98,99.08) 306.99,99.09 308.55,99.08 ; KLED64.3 193.47,38.72 KC64.2 ; KC47.2 46.31,37.04 KLED47.3 ; KC45.2 21.66,74.92 KLED45.3 ; v1(38.81,97.96) 38.82,97.96 KLED6.3 ; KC69.2 210.31,116.76 KLED69.3 ; v1(78.41,63) 78.42,63 KLED11.3 ; KLED82.3 327.7,114.21 KC82.2 ; KC44.2 22,36.83 KLED44.3 ; KC48.2 45.98,75.14 KLED48.3 ; v1(59.1,100.2) 59.1,100.2 KLED9.3 ; KLED14.3 99.69,99.62 v1(99.69,99.62) ; KLED30.3 244.31,61.26 v1(244.3,61.25) ; KLED63.3 170.8,113.67 KC63.2 ; v1(77.42,24.91) 77.42,24.92 KLED10.3 ; v1(349.14,42.98) 349.14,42.99 KLED40.3 ; KLED26.3 225.14,24.84 v1(225.14,24.83) ; KLED32.3 263.19,23.08 v1(263.19,23.07) ; KC72.2 230.91,116.33 KLED72.3 ; KLED7.3 58.44,24.01 v1(58.43,24) ; KLED15.3 113.87,22.51 v1(113.87,22.5) ; KLED83.3 313.74,26.65 KC83.2 ; KC77.2 270.55,114.46 KLED77.3 ; KLED88.3 375.33,114 375.13,113.8 ; KLED35.3 287.77,61.07 v1(287.77,61.06) ; KC68.2 211.48,78.68 KLED68.3 ; v1(169.72,22.1) 169.73,22.11 KLED18.3 ; KC50.2 65.86,77.26 KLED50.3 ; KLED87.3 356.28,114.08 KC87.2 ; KLED5.3 39.15,59.87 v1(39.14,59.86)
  vias: v1(117.07,128.21) v1(120.48,133.49) v1(122.2,88.53) v1(144.25,123.33) v1(144.46,117.13) v1(166.45,82.03)
VCC: length 246.6
  Top w0.25: 151.06,134.05 150.65,134.05 ; 151.06,134.05 151.47,134.05 151.59,134.18 151.36,133.95 ; 151.06,134.05 151.06,133.64 ; 150.65,134.05 151.06,133.64 ; 150.65,134.05 138.93,134.05 136.75,136.23 C2.1 ; 151.06,133.64 151.36,133.95 ; 151.06,133.64 v1(151.06,131.26) ; DIP2.16 251.76,134.83 C3.1 248.07,138.52 172.51,138.52 168.57,134.58 151.99,134.58 151.36,133.95 ; v1(149.35,127.93) 151.17,126.12 152.79,126.12 MCU1.4 153.44,125.46 153.04,125.46
  Bottom w0.25: C2.1 44.95,135.54 DIP1.16 45.24,130.72 45.24,125.64 DIP1.6 ; v1(151.06,131.26) 151.06,129.64 v1(149.35,127.93)
arrows_left_bottom: length 5.8
  Bottom w0.25: KD38.2 321.67,23.69 KSW38.2
arrows_left_top: length 5.8
  Bottom w0.25: KSW83.2 307.57,36.49 KD83.2
arrows_right_bottom: length 5.8
  Bottom w0.25: KSW39.2 334.48,37.79 KD39.2
arrows_right_top: length 5.8
  Bottom w0.25: KD84.2 320.38,50.59 KSW84.2
col0: length 140.4
  Bottom w0.25: KSW1.1 12.12,33.8 KSW44.1 12.12,66.26 KSW2.1 11.79,66.59 KSW45.1 11.79,99.48 KSW3.1 16.72,104.74 KSW46.1 18.62,125.53 24.44,125.53 24.44,127.02 25.54,128.12 30.76,128.12 31.23,127.65 31.23,124.74 39.45,116.52 46.29,116.52 DIP1.10
col1: length 244.5
  Bottom w0.25: KSW4.1 36.6,47.43 KSW47.1 36.43,66.47 KSW5.1 36.1,66.81 KSW48.1 36.1,104.57 KSW6.1 44.16,112.97 49.81,112.97 51.34,114.49 51.34,118.96 50.02,120.28 DIP1.11 45.7,122.09 45.7,130.23 47.29,131.82 48.09,131.82 49.95,133.68 114.04,133.68 122.59,125.13 122.59,123.17 122.03,122.61 122.03,121.99 117.63,117.59 117.63,115.06 123.58,109.12 123.58,107.59 127.59,103.58 127.59,103.11 127.34,102.86 127.34,101.85 128.05,101.13 129.08,101.13 139.21,91 REF**.S1
col2: length 105.9
  Bottom w0.25: KSW7.1 55.67,49.72 KSW49.1 55.84,68.76 KSW8.1 56.17,69.1 KSW50.1 56.17,106.86 KSW9.1 56.34,125.91 KSW51.1 53.25,122.82 DIP1.12
col3: length 131.1
  Bottom w0.25: KSW10.1 74.78,50.33 KSW52.1 75.28,69.38 KSW11.1 76.27,70.37 KSW53.1 76.27,107.46 KSW12.1 76.77,126.51 KSW54.1 74.52,127.01 69.2,132.33 54.47,132.33 DIP1.13
col4: length 207.3
  Top w0.25: v1(114.33,32.2) 113.72,32.2 v1(110.11,35.8)
  Bottom w0.25: ROT1.1 136.4,35.96 118.09,35.96 v1(114.33,32.2) ; DIP1.14 52.38,132.78 90.26,132.78 97.47,125.57 KSW57.1 98,108 97.17,107.17 KSW14.1 97.17,88.34 KSW56.1 95.51,86.68 KSW13.1 94.67,67.65 KSW55.1 94.67,46.98 97.42,44.23 109.46,44.23 110.93,42.76 110.93,36.62 v1(110.11,35.8)
col5: length 172.6
  Bottom w0.25: KSW15.1 111.38,45.98 KSW58.1 113.79,66.5 KSW16.1 114.38,67.74 114.38,85.21 KSW59.1 116.53,87.36 KSW17.1 116.53,123.59 KSW60.1 108.72,133.23 50.29,133.23 DIP1.15
col6: length 105.9
  Bottom w0.25: KSW18.1 164.17,31.18 KSW61.1 163.25,48.63 KSW19.1 162.34,67.66 KSW62.1 161.43,86.69 KSW20.1 160.51,105.72 KSW63.1 157.36,123.83 MCU1.6
col7: length 107.5
  Bottom w0.25: KSW64.1 182.27,49.8 KSW21.1 181.36,68.82 KSW65.1 180.44,87.85 KSW22.1 179.53,106.88 KSW66.1 175.9,128.62 170.86,128.62 170.78,128.71 159.69,128.71 MCU1.5
col8: length 147.7
  Bottom w0.25: KSW23.1 203.12,50.35 KSW67.1 201.95,51.52 KSW24.1 201.95,88.43 KSW68.1 200.79,89.6 KSW25.1 200.21,108.64 KSW69.1 204.92,131.81 224.04,131.81 236.95,118.89 DIP2.7
col9: length 129.9
  Bottom w0.25: KSW26.1 222.23,50.4 KSW70.1 221.73,50.9 KSW27.1 221.48,69.95 KSW71.1 221.48,107.54 KSW28.1 ; KSW28.1 228.06,114.62 250.07,114.62 DIP2.9 ; KSW28.1 220.98,108.04 KSW72.1
col10: length 98.4
  Bottom w0.25: KSW29.1 241.35,48.94 KSW73.1 241.52,49.11 KSW30.1 241.52,87.04 KSW74.1 241.6,106.09 KSW31.1 248.73,113.22 253.62,113.22 254.54,114.14 254.54,116.21 DIP2.10
col11: length 110.3
  Bottom w0.25: DIP2.11 255.48,125.14 KSW77.1 260.73,125.06 KSW34.1 260.73,87.12 KSW76.1 260.57,86.96 KSW33.1 260.57,54.2 KSW75.1 260.4,43.47 KSW32.1
col12: length 93
  Bottom w0.25: DIP2.12 259.03,131.23 273.13,131.23 279.3,125.06 KSW79.1 279.7,124.89 KSW78.1 279.7,73.16 KSW35.1
col13: length 118.6
  Bottom w0.25: KSW81.1 298.91,111.18 KSW37.1 298.75,100.45 KSW80.1 ; KSW81.1 300.78,126.84 303.1,126.84 304.34,125.6 309.68,125.6 313.63,121.64 315.97,121.64 317.96,123.64 KSW82.1 ; KSW81.1 292.2,131.68 256.93,131.68 DIP2.13
col14: length 248.9
  Bottom w0.25: KSW83.1 299.29,29.43 300.71,30.86 302.26,30.86 306.7,35.3 311.57,35.3 312.98,36.7 312.98,39.77 KSW84.1 313.54,39.21 317.1,39.21 328.1,50.21 KSW85.1 333.5,52.89 333.5,52.81 336.53,49.77 336.58,49.82 341.05,49.82 344.51,53.28 344.51,60.03 343.95,60.59 343.95,69.35 KSW86.1 340.91,100.17 KSW42.1 346.54,105.8 KSW87.1 339.17,132.13 254.83,132.13 DIP2.14
col15: length 262.8
  Bottom w0.25: KSW38.1 313.39,16.62 315.88,19.12 317.46,19.12 321.09,22.74 325.93,22.74 327.08,23.89 327.08,26.96 KSW39.1 326.19,30.72 327.62,32.15 328.91,32.15 333.14,36.37 338.27,36.37 342.21,40.31 KSW40.1 342.21,48.35 343.63,49.77 345.01,49.77 349.24,54 354.28,54 355.9,55.62 355.9,58.69 KSW41.1 355.01,70.23 365.51,80.72 KSW43.1 365.59,105.72 KSW88.1 365.03,124.68 357.13,132.58 252.73,132.58 DIP2.15
